# Altium PCB Board.PcbDoc (part 5 of 8) (continued)
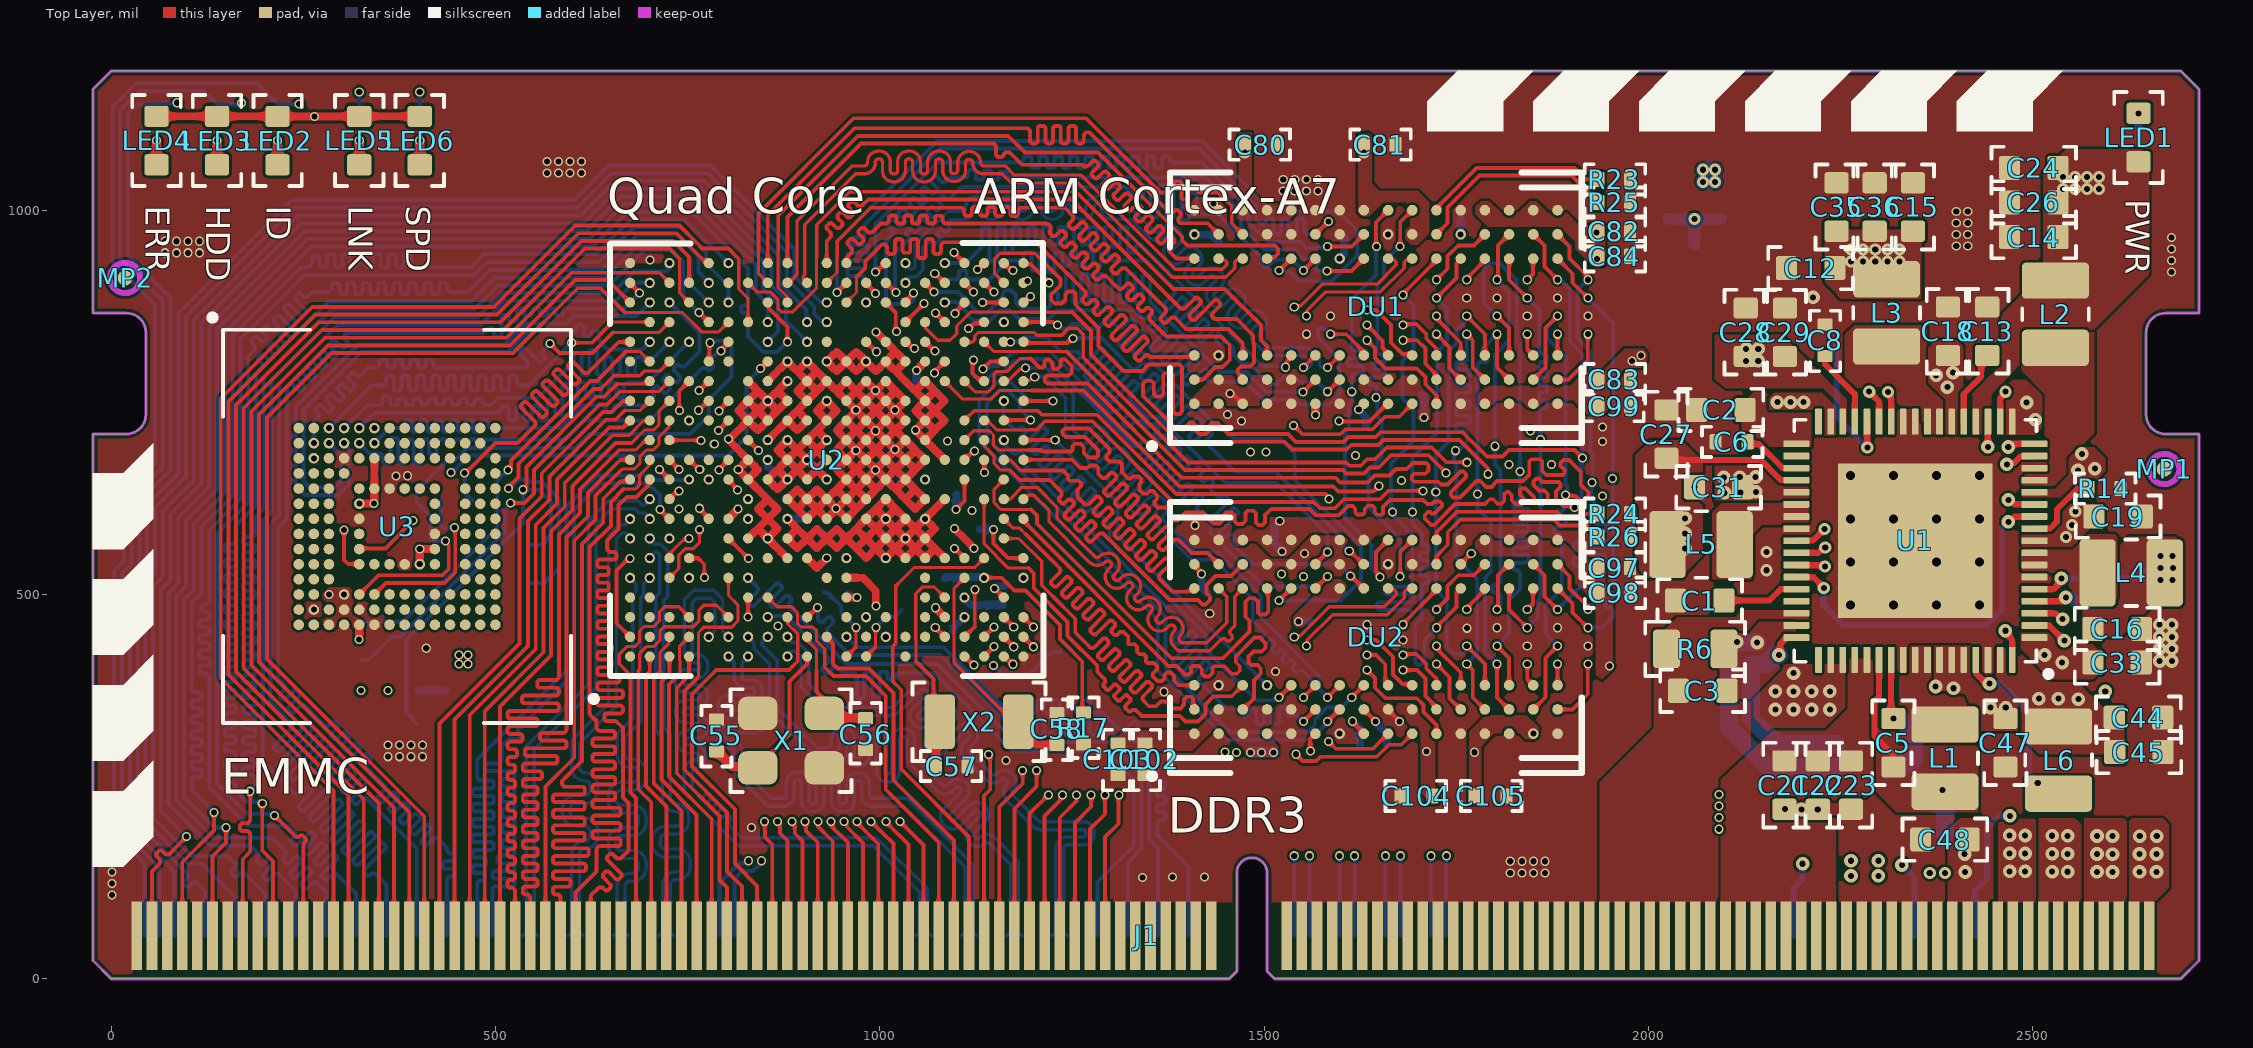
[diagram p0: Top Layer view]
## Nets (pads, with @x,y where several pads share a name; then routed paths per layer and width w, separated by ;. In a path a pad name is that pad's centre, name@x,y a point inside that pad or via, vN(x,y) a via of type N, cw(c..) or ccw(c..) an arc to the next point about the centre after c; other vN are vias at no path point) (continued)
SDC1_D0: J1.107 U2.H4 | length 576.9
  Top Layer w4: U2.H4@854.33,496.06 866.36,484.03 885.46,484.03 892.88,476.61 892.88,462.53 897.64,457.76 912.9,457.76 917.98,452.69 917.98,439.52 928.4,429.11
  Top Layer w5: 928.4,429.11 928.4,405.24 939.94,393.7 981.92,393.7 1007.87,367.75 1007.87,246.16 1076.77,177.26 J1.107@1076.77,55.98
SDC1_D1: J1.69 U2.F3 | length 538.8
  Top Layer w4: 685.91,400.26 687.39,401.74 687.39,422.9 688.59,424.11 688.59,424.34 695.74,431.48 695.97,431.48 696.57,432.09 706.09,432.09 714,440 714,452.73 719.25,457.98 757.19,457.98 765,465.79 765,480 771,486 787.62,486 U2.F3@803.15,470.47
  Top Layer w5: 685.91,400.26 685.91,246.6 702.76,229.75 J1.69@702.76,55.98
SDC1_D2: J1.73 U2.C2 | length 412.4
  Top Layer w4: 714.18,399.22 714.18,424.63 725.6,436.05 U2.C2@725.6,444.11
  Top Layer w5: 714.18,399.22 705.91,390.94 705.91,254.88 742.13,218.66 J1.73@742.13,55.98 ; U2.C2@725.6,444.11 U2.C2@726.38,444.88
SDC1_D3: J1.75 U2.C1 | length 386.7
  Top Layer w5: U2.C1@726.38,419.29 726.38,397.28 715.91,386.8 715.91,259.02 761.81,213.12 J1.75@761.81,55.98
SDQ0: DU1.F8 U2.N20 | length 1048.1
  Top Layer w5: U2.N20@982.28,905.51 982.28,904.72 994.58,892.43 v1(994.58,891.64) ; DU1.F8@1566.93,968.5 1567.05,968.51 1583.56,985.01 v1(1583.68,985.01)
  Bottom Layer w5: v1(994.58,891.64) 980.32,905.9 980.32,906.85 980.32,909.35 ccw(c975.32,909.35) 975.32,914.35 960.42,914.35 cw(c960.42,916.85) 957.92,916.85 957.92,921.85 cw(c960.42,921.85) 960.42,924.35 978.77,924.35 ccw(c978.77,926.85) 981.27,926.85 981.27,931.85 ccw(c978.77,931.85) 978.77,934.35 960.42,934.35 cw(c960.42,936.85) 957.92,936.85 957.92,941.85 cw(c960.42,941.85) 960.42,944.35 982.17,944.35 ccw(c982.17,946.85) 984.67,946.85 984.67,951.85 ccw(c982.17,951.85) 982.17,954.35 965.99,954.35 cw(c965.99,956.85) 963.49,956.85 963.49,961.85 cw(c965.99,961.85) 965.99,964.35 975.32,964.35 ccw(c975.32,969.35) 980.32,969.35 980.32,981.17 987.33,988.19 1079.14,1080 1415,1080 1490,1005 1490,987.43 1492.5,984.93 1494.09,983.34 ccw(c1497.6,986.9) 1502.5,985.92 cw(c1505,985.92) 1505,988.42 1510,988.42 cw(c1510,985.92) 1512.5,985.92 1512.5,971.32 ccw(c1515,971.32) 1515,968.82 1520,968.82 ccw(c1520,971.32) 1522.5,971.32 1522.5,985.92 cw(c1525,985.92) 1525,988.42 1530,988.42 cw(c1530,985.92) 1532.5,985.92 1532.5,971.32 ccw(c1535,971.32) 1535,968.82 1540,968.82 ccw(c1540,971.32) 1542.5,971.32 1542.5,985.92 cw(c1545,985.92) 1545,988.42 1550,988.42 cw(c1550,985.92) 1552.5,985.92 1552.5,973.82 ccw(c1557.5,973.82) 1557.5,968.82 1567.48,968.82 1568.92,970.26 v1(1583.68,985.01)
SDQ1: DU1.H8 U2.P21 | length 1055.5
  Top Layer w5: v1(994.67,919.64) 995.54,919.64 1007.01,931.1 U2.P21@1007.87,931.1 ; v1(1582.68,952.76) 1614.17,952.76 DU1.H8@1629.92,968.5
  Bottom Layer w5: v1(994.67,919.64) 994.67,981.39 1075.45,1062.16 1180,1062.16 1182.5,1062.16 ccw(c1182.5,1067.16) 1187.5,1067.16 1187.5,1067.5 cw(c1190,1067.5) 1190,1070 1195,1070 cw(c1195,1067.5) 1197.5,1067.5 1197.5,1057.4 ccw(c1200,1057.4) 1200,1054.9 1205,1054.9 ccw(c1205,1057.4) 1207.5,1057.4 1207.5,1067.5 cw(c1210,1067.5) 1210,1070 1215,1070 cw(c1215,1067.5) 1217.5,1067.5 1217.5,1057.4 ccw(c1220,1057.4) 1220,1054.9 1225,1054.9 ccw(c1225,1057.4) 1227.5,1057.4 1227.5,1067.5 cw(c1230,1067.5) 1230,1070 1235,1070 cw(c1235,1067.5) 1237.5,1067.5 1237.5,1057.4 ccw(c1240,1057.4) 1240,1054.9 1245,1054.9 ccw(c1245,1057.4) 1247.5,1057.4 1247.5,1067.5 cw(c1250,1067.5) 1250,1070 1255,1070 cw(c1255,1067.5) 1257.5,1067.5 1257.5,1057.4 ccw(c1260,1057.4) 1260,1054.9 1265,1054.9 ccw(c1265,1057.4) 1267.5,1057.4 1267.5,1067.5 cw(c1270,1067.5) 1270,1070 1275,1070 cw(c1275,1067.5) 1277.5,1067.5 1277.5,1057.4 ccw(c1280,1057.4) 1280,1054.9 1285,1054.9 ccw(c1285,1057.4) 1287.5,1057.4 1287.5,1067.5 cw(c1290,1067.5) 1290,1070 1295,1070 cw(c1295,1067.5) 1297.5,1067.5 1297.5,1057.4 ccw(c1300,1057.4) 1300,1054.9 1305,1054.9 ccw(c1305,1057.4) 1307.5,1057.4 1307.5,1067.5 cw(c1310,1067.5) 1310,1070 1315,1070 cw(c1315,1067.5) 1317.5,1067.5 1317.5,1057.4 ccw(c1320,1057.4) 1320,1054.9 1325,1054.9 ccw(c1325,1057.4) 1327.5,1057.4 1327.5,1067.5 cw(c1330,1067.5) 1330,1070 1335,1070 cw(c1335,1067.5) 1337.5,1067.5 1337.5,1057.4 ccw(c1340,1057.4) 1340,1054.9 1345,1054.9 ccw(c1345,1057.4) 1347.5,1057.4 1347.5,1067.5 cw(c1350,1067.5) 1350,1070 1355,1070 cw(c1355,1067.5) 1357.5,1067.5 1357.5,1057.4 ccw(c1360,1057.4) 1360,1054.9 1365,1054.9 ccw(c1365,1057.4) 1367.5,1057.4 1367.5,1067.5 cw(c1370,1067.5) 1370,1070 1375,1070 cw(c1375,1067.5) 1377.5,1067.5 1377.5,1067.16 ccw(c1382.5,1067.16) 1382.5,1062.16 1399.94,1062.16 1418.7,1062.16 1480,1000.86 1480,983.28 1482.5,980.78 1484.09,979.2 1490.51,972.77 1504.47,958.82 1547.45,958.82 1555.36,950.91 1582.68,950.91 v1(1582.68,952.76)
SDQ2: DU1.F7 U2.P20 | length 1052.9
  Top Layer w5: U2.P20@1007.87,905.51 1008.36,905.51 1020.91,892.96 v1(1021.39,892.96) ; v1(1551.18,921.26) DU1.F7@1566.93,937.01
  Bottom Layer w5: 1020.06,899.96 1020.06,943.7 1021.83,945.47 ccw(c1018.29,949) 1021.83,952.54 1020.43,953.93 cw(c1022.2,955.7) 1020.43,957.47 1023.97,961 cw(c1025.73,959.24) 1027.5,961 1030.67,957.84 ccw(c1032.43,959.61) 1034.2,957.84 1037.74,961.38 ccw(c1035.97,963.14) 1037.74,964.91 1034.57,968.08 cw(c1036.34,969.84) 1034.57,971.61 1038.11,975.15 cw(c1039.88,973.38) 1041.64,975.15 1044.81,971.98 ccw(c1046.58,973.75) 1048.34,971.98 1051.88,975.52 ccw(c1050.11,977.29) 1051.88,979.05 1048.72,982.22 cw(c1050.48,983.99) 1048.72,985.75 1052.25,989.29 cw(c1054.02,987.52) 1055.79,989.29 1058.95,986.13 ccw(c1060.72,987.89) 1062.49,986.13 1066.02,989.66 ccw(c1064.25,991.43) 1066.02,993.2 1062.86,996.36 cw(c1064.62,998.13) 1062.86,999.9 1066.39,1003.43 cw(c1068.16,1001.66) 1069.93,1003.43 1073.09,1000.27 ccw(c1074.86,1002.03) 1076.63,1000.27 1080.16,1003.8 ccw(c1078.4,1005.57) 1080.16,1007.34 1077,1010.5 cw(c1078.77,1012.27) 1077,1014.04 1080.53,1017.57 cw(c1082.3,1015.81) 1084.07,1017.57 1085.47,1016.18 ccw(c1089,1019.71) 1092.54,1016.18 1100.4,1024.04 1106.36,1030 1320,1030 1330,1020 1333.97,1016.03 ccw(c1337.5,1019.57) 1342.5,1019.57 1342.5,1029.85 cw(c1345,1029.85) 1345,1032.35 1350,1032.35 cw(c1350,1029.85) 1352.5,1029.85 1352.5,993.13 ccw(c1355,993.13) 1355,990.63 1360,990.63 ccw(c1360,993.13) 1362.5,993.13 1362.5,1029.85 cw(c1365,1029.85) 1365,1032.35 1370,1032.35 cw(c1370,1029.85) 1372.5,1029.85 1372.5,992.96 ccw(c1375,992.96) 1375,990.46 1380,990.46 ccw(c1380,992.96) 1382.5,992.96 1382.5,1029.85 cw(c1385,1029.85) 1385,1032.35 1390,1032.35 cw(c1390,1029.85) 1392.5,1029.85 1392.5,989.97 ccw(c1395,989.97) 1395,987.47 1400,987.47 ccw(c1400,989.97) 1402.5,989.97 1402.5,1020 cw(c1405,1020) 1405,1022.5 1410,1022.5 cw(c1410,1020) 1412.5,1020 1412.5,1000 ccw(c1417.5,1000) 1417.5,995 1429.88,995 1440,995 1496.18,938.82 1496.18,930.38 1500.22,926.34 1505.02,926.34 1514.54,935.86 1536.58,935.86 v1(1551.18,921.26) ; 1020.08,899.93 1020.08,894.26 v1(1021.39,892.96)
SDQ3: DU1.E3 U2.U21 | length 1048.3
  Top Layer w4.99: v1(1527.85,795.62) 1529.15,796.93 1529.15,802.36 1535.43,808.65 DU1.E3@1535.43,811.02
  Bottom Layer w4.99: v1(1084.65,931.1) 1085.36,931.1 1112.2,931.1 1131.35,950.25 ccw(c1127.82,953.77) 1132.81,953.77 1132.81,975.79 cw(c1135.31,975.79) 1135.31,978.28 1140.3,978.28 cw(c1140.3,975.79) 1142.8,975.79 1142.8,936.41 ccw(c1145.3,936.41) 1145.3,933.92 1150.29,933.92 ccw(c1150.29,936.41) 1152.79,936.41 1152.79,975.79 cw(c1155.29,975.79) 1155.29,978.28 1160.28,978.28 cw(c1160.28,975.79) 1162.78,975.79 1162.78,947.16 ccw(c1165.28,947.16) 1165.28,944.66 1170.27,944.66 ccw(c1170.27,947.16) 1172.77,947.16 1172.77,975.79 cw(c1175.27,975.79) 1175.27,978.28 1180.26,978.28 cw(c1180.26,975.79) 1182.76,975.79 1182.76,957.5 ccw(c1185.26,957.5) 1185.26,955 1190.25,955 ccw(c1190.25,957.5) 1192.75,957.5 1192.75,975.79 cw(c1195.25,975.79) 1195.25,978.28 1200.24,978.28 cw(c1200.24,975.79) 1202.74,975.79 1202.74,957.5 ccw(c1205.24,957.5) 1205.24,955 1210.23,955 ccw(c1210.23,957.5) 1212.73,957.5 1212.73,975.79 cw(c1215.23,975.79) 1215.23,978.28 1220.22,978.28 cw(c1220.22,975.79) 1222.72,975.79 1222.72,957.5 ccw(c1225.22,957.5) 1225.22,955 1230.21,955 ccw(c1230.21,957.5) 1232.71,957.5 1232.71,975.79 cw(c1235.21,975.79) 1235.21,978.28 1240.2,978.28 cw(c1240.2,975.79) 1242.7,975.79 1242.7,957.5 ccw(c1245.2,957.5) 1245.2,955 1250.19,955 ccw(c1250.19,957.5) 1252.69,957.5 1252.69,975.79 cw(c1255.19,975.79) 1255.19,978.28 1260.18,978.28 cw(c1260.18,975.79) 1262.68,975.79 1262.68,957.5 ccw(c1265.18,957.5) 1265.18,955 1270.17,955 ccw(c1270.17,957.5) 1272.67,957.5 1272.67,975.79 cw(c1275.17,975.79) 1275.17,978.28 1280.16,978.28 cw(c1280.16,975.79) 1282.66,975.79 1282.66,957.5 ccw(c1285.16,957.5) 1285.16,955 1290.15,955 ccw(c1290.15,957.5) 1292.65,957.5 1292.65,975.79 cw(c1295.15,975.79) 1295.15,978.28 1300.14,978.28 cw(c1300.14,975.79) 1302.64,975.79 1302.64,955 ccw(c1305.14,955) 1305.14,952.51 1310.13,952.51 ccw(c1310.13,955) 1312.63,955 1312.63,975.79 cw(c1315.13,975.79) 1315.13,978.28 1320.12,978.28 cw(c1320.12,975.79) 1322.62,975.79 1322.62,947.29 ccw(c1325.12,947.29) 1325.12,944.79 1330.11,944.79 ccw(c1330.11,947.29) 1332.61,947.29 1332.61,950.01 cw(c1337.6,950.01) 1337.6,955 1340.28,955 1349.95,945.33 1498.35,796.93 1526.54,796.93 v1(1527.85,795.62)
SDQ4: DU1.H7 U2.R19 | length 1055.8
  Top Layer w5: U2.R19@1033.46,879.92 1033.46,880.71 1044.06,891.3 v1(1044.06,892.09) ; v1(1582.16,920.81) 1613.72,920.81 DU1.H7@1629.92,937.01
  Bottom Layer w5: v1(1044.06,892.09) 1044.06,883.12 1038.89,877.95 1015,877.95 1007.98,884.97 1007.98,897.19 1007.98,913.99 1008.08,914.08 1008.08,959.26 1014.41,965.59 1016.18,967.36 ccw(c1012.64,970.89) 1016.18,974.43 1010.78,979.82 cw(c1012.55,981.59) 1010.78,983.36 1014.32,986.89 cw(c1016.09,985.13) 1017.86,986.89 1025.02,979.73 ccw(c1026.78,981.5) 1028.55,979.73 1032.09,983.27 ccw(c1030.32,985.04) 1032.09,986.8 1024.93,993.96 cw(c1026.69,995.73) 1024.93,997.5 1028.46,1001.04 cw(c1030.23,999.27) 1032,1001.04 1039.16,993.87 ccw(c1040.93,995.64) 1042.69,993.87 1046.23,997.41 ccw(c1044.46,999.18) 1046.23,1000.95 1039.07,1008.11 cw(c1040.84,1009.87) 1039.07,1011.64 1042.6,1015.18 cw(c1044.37,1013.41) 1046.14,1015.18 1053.3,1008.02 ccw(c1055.07,1009.78) 1056.84,1008.02 1060.37,1011.55 ccw(c1058.6,1013.32) 1060.37,1015.09 1053.21,1022.25 cw(c1054.98,1024.02) 1053.21,1025.78 1056.75,1029.32 cw(c1058.51,1027.55) 1060.28,1029.32 1067.44,1022.16 ccw(c1069.21,1023.93) 1070.98,1022.16 1074.51,1025.69 ccw(c1072.75,1027.46) 1074.51,1029.23 1067.35,1036.39 cw(c1069.12,1038.16) 1067.35,1039.93 1070.89,1043.46 cw(c1072.66,1041.69) 1074.42,1043.46 1079.82,1038.07 ccw(c1083.35,1041.6) 1086.89,1038.07 1091.17,1042.35 1107.65,1042.35 1110.15,1042.35 ccw(c1110.15,1047.35) 1115.15,1047.35 1115.15,1049.66 cw(c1117.65,1049.66) 1117.65,1052.16 1122.65,1052.16 cw(c1122.65,1049.66) 1125.15,1049.66 1125.15,1042.5 ccw(c1127.65,1042.5) 1127.65,1040 1132.65,1040 ccw(c1132.65,1042.5) 1135.15,1042.5 1135.15,1048.97 cw(c1137.65,1048.97) 1137.65,1051.47 1142.65,1051.47 cw(c1142.65,1048.97) 1145.15,1048.97 1145.15,1042.5 ccw(c1147.65,1042.5) 1147.65,1040 1152.65,1040 ccw(c1152.65,1042.5) 1155.15,1042.5 1155.15,1047.35 cw(c1157.65,1047.35) 1157.65,1049.85 1162.65,1049.85 cw(c1162.65,1047.35) 1165.15,1047.35 ccw(c1170.15,1047.35) 1170.15,1042.35 1180.07,1042.35 1424.36,1042.35 1470,996.72 1470,979.14 1500.32,948.82 1540.24,948.82 1551.79,937.27 1559.32,937.27 1562.34,940.29 1569.01,940.29 1572.21,937.08 1572.21,932.2 1568.32,928.3 1568.32,923.01 1570.52,920.81 v1(1582.16,920.81)
SDQ5: DU1.F2 U2.T20 | length 1055.2
  Top Layer w4.99: U2.T20@1059.06,905.51 v1(1070.87,893.7) ; v1(1550.87,763.46) DU1.F2@1566.93,779.53
  Bottom Layer w4.99: v1(1070.87,893.7) 1071.24,893.32 1102.45,893.32 1116.78,879 1116.78,877.89 1128.31,866.36 1139.41,866.36 1160.62,887.57 1160.62,892.36 1163.85,895.59 1171.59,895.59 1177.44,889.74 1177.44,879.66 1185.29,871.81 1214.6,871.81 1217.8,871.81 1220.62,874.64 ccw(c1217.1,878.17) 1222.09,878.17 1222.09,889.61 cw(c1224.58,889.61) 1224.58,892.11 1229.58,892.11 cw(c1229.58,889.61) 1232.08,889.61 1232.08,882.2 ccw(c1234.57,882.2) 1234.57,879.7 1239.57,879.7 ccw(c1239.57,882.2) 1242.07,882.2 1242.07,914.48 cw(c1244.56,914.48) 1244.56,916.98 1249.56,916.98 cw(c1249.56,914.48) 1252.06,914.48 1252.06,882.2 ccw(c1254.55,882.2) 1254.55,879.7 1259.55,879.7 ccw(c1259.55,882.2) 1262.05,882.2 1262.05,914.48 cw(c1264.54,914.48) 1264.54,916.98 1269.54,916.98 cw(c1269.54,914.48) 1272.04,914.48 1272.04,882.2 ccw(c1274.53,882.2) 1274.53,879.7 1279.53,879.7 ccw(c1279.53,882.2) 1282.03,882.2 1282.03,914.48 cw(c1284.52,914.48) 1284.52,916.98 1289.52,916.98 cw(c1289.52,914.48) 1292.02,914.48 1292.02,882.2 ccw(c1294.51,882.2) 1294.51,879.7 1299.51,879.7 ccw(c1299.51,882.2) 1302.01,882.2 1302.01,914.48 cw(c1304.5,914.48) 1304.5,916.98 1309.5,916.98 cw(c1309.5,914.48) 1312,914.48 1312,882.2 ccw(c1314.49,882.2) 1314.49,879.7 1319.49,879.7 ccw(c1319.49,882.2) 1321.99,882.2 1321.99,914.48 cw(c1324.48,914.48) 1324.48,916.98 1329.48,916.98 cw(c1329.48,914.48) 1331.98,914.48 1331.98,882.16 ccw(c1334.47,882.16) 1334.47,879.66 1339.47,879.66 ccw(c1339.47,882.16) 1341.97,882.16 1341.97,912.55 cw(c1344.46,912.55) 1344.46,915.05 1349.46,915.05 cw(c1349.46,912.55) 1351.96,912.55 1351.96,882.39 ccw(c1356.95,882.39) 1353.42,878.87 1364.64,867.64 1442.69,789.59 1477.41,789.59 1503.23,763.78 1550.55,763.78 v1(1550.87,763.46)
SDQ6: DU1.H3 U2.U19 | length 1059
  Top Layer w5: v1(1586.61,838.58) 1607.03,838.58 1629.92,815.69 DU1.H3@1629.92,811.02
  Bottom Layer w5: v1(1084.65,879.92) 1084.65,883.33 1086.06,883.33 1088.85,880.53 1100,880.53 1114.17,866.36 1114.17,863.82 1121.62,856.37 1143.55,856.37 1156.89,869.71 1169.66,869.71 1181.1,858.27 1219.91,858.27 1231.35,869.71 1323.14,869.71 1331.08,869.71 1340.37,860.42 ccw(c1343.9,863.95) 1347.44,860.42 1350.82,863.8 cw(c1352.58,862.03) 1354.35,863.8 1357.89,860.26 cw(c1356.12,858.49) 1357.89,856.73 1351.22,850.05 ccw(c1352.98,848.29) 1351.22,846.52 1354.75,842.98 ccw(c1356.52,844.75) 1358.29,842.98 1364.96,849.65 cw(c1366.73,847.89) 1368.49,849.65 1372.03,846.12 cw(c1370.26,844.35) 1372.03,842.58 1352.3,822.86 ccw(c1354.07,821.09) 1352.3,819.32 1355.84,815.78 ccw(c1357.61,817.55) 1359.37,815.78 1379.1,835.51 cw(c1380.87,833.74) 1382.64,835.51 1386.17,831.98 cw(c1384.4,830.21) 1386.17,828.44 1366.44,808.71 ccw(c1368.21,806.95) 1366.44,805.18 1369.98,801.64 ccw(c1371.75,803.41) 1373.52,801.64 1393.24,821.37 cw(c1395.01,819.6) 1396.78,821.37 1400.31,817.83 cw(c1398.55,816.07) 1400.31,814.3 1380.59,794.57 ccw(c1382.35,792.8) 1380.59,791.04 1384.12,787.5 ccw(c1385.89,789.27) 1387.66,787.5 1407.39,807.23 cw(c1409.15,805.46) 1410.92,807.23 1414.46,803.69 cw(c1412.69,801.92) 1414.46,800.16 1394.73,780.43 ccw(c1396.5,778.66) 1394.73,776.89 1398.26,773.36 ccw(c1400.03,775.13) 1401.8,773.36 1421.53,793.09 cw(c1423.3,791.32) 1425.06,793.09 1428.6,789.55 cw(c1426.83,787.78) 1428.6,786.01 1427.53,784.94 ccw(c1431.06,781.41) 1431.06,776.41 1440.82,776.41 1476.46,776.41 1496.16,756.71 1499.09,753.78 1541.22,753.78 1547.95,747.05 1584.9,747.05 1598.43,760.57 1598.43,806.57 1570,835 1570,844.06 1572.74,846.8 1578.39,846.8 v1(1586.61,838.58)
SDQ7: DU1.G2 U2.U20 | length 1058.3
  Top Layer w5: v1@1072.42,917.74 U2.U20@1084.65,905.51 U2.U20@1085.46,905.51 ; v1(1582.68,763.78) DU1.G2@1598.43,779.53
  Bottom Layer w5: v1(1071.61,917.74) 1079.69,909.66 1095.77,909.66 1098.27,909.66 ccw(c1098.27,914.66) 1103.27,914.66 1103.27,918.61 cw(c1105.77,918.61) 1105.77,921.11 1110.77,921.11 cw(c1110.77,918.61) 1113.27,918.61 1113.27,914.66 ccw(c1118.27,914.66) 1118.27,909.66 1130.06,909.66 1142.67,909.66 1167.67,934.66 1180,934.66 1182.5,934.66 ccw(c1182.5,939.66) 1187.5,939.66 1187.5,942.5 cw(c1190,942.5) 1190,945 1195,945 cw(c1195,942.5) 1197.5,942.5 1197.5,923.63 ccw(c1200,923.63) 1200,921.13 1205,921.13 ccw(c1205,923.63) 1207.5,923.63 1207.5,942.5 cw(c1210,942.5) 1210,945 1215,945 cw(c1215,942.5) 1217.5,942.5 1217.5,921.42 ccw(c1220,921.42) 1220,918.92 1225,918.92 ccw(c1225,921.42) 1227.5,921.42 1227.5,942.5 cw(c1230,942.5) 1230,945 1235,945 cw(c1235,942.5) 1237.5,942.5 1237.5,929.47 ccw(c1240,929.47) 1240,926.97 1245,926.97 ccw(c1245,929.47) 1247.5,929.47 1247.5,942.5 cw(c1250,942.5) 1250,945 1255,945 cw(c1255,942.5) 1257.5,942.5 1257.5,929.47 ccw(c1260,929.47) 1260,926.97 1265,926.97 ccw(c1265,929.47) 1267.5,929.47 1267.5,942.5 cw(c1270,942.5) 1270,945 1275,945 cw(c1275,942.5) 1277.5,942.5 1277.5,929.47 ccw(c1280,929.47) 1280,926.97 1285,926.97 ccw(c1285,929.47) 1287.5,929.47 1287.5,942.5 cw(c1290,942.5) 1290,945 1295,945 cw(c1295,942.5) 1297.5,942.5 1297.5,939.66 ccw(c1302.5,939.66) 1302.5,934.66 1319.61,934.66 1346.48,934.66 1360.01,921.13 1361.78,919.36 1382.99,898.15 cw(c1379.45,894.61) 1382.99,891.08 1370.93,879.02 ccw(c1372.7,877.25) 1370.93,875.49 1374.47,871.95 ccw(c1376.24,873.72) 1378,871.95 1391.83,885.78 cw(c1393.6,884.01) 1395.36,885.78 1398.9,882.24 cw(c1397.13,880.47) 1398.9,878.7 1385.07,864.88 ccw(c1386.84,863.11) 1385.07,861.34 1388.61,857.81 ccw(c1390.38,859.58) 1392.15,857.81 1405.97,871.63 cw(c1407.74,869.87) 1409.51,871.63 1413.04,868.1 cw(c1411.27,866.33) 1413.04,864.56 1399.22,850.74 ccw(c1400.98,848.97) 1399.22,847.2 1402.75,843.67 ccw(c1404.52,845.43) 1406.29,843.67 1420.11,857.49 cw(c1421.88,855.72) 1423.65,857.49 1427.18,853.96 cw(c1425.42,852.19) 1427.18,850.42 1413.36,836.6 ccw(c1415.13,834.83) 1413.36,833.06 1416.89,829.52 ccw(c1418.66,831.29) 1420.43,829.52 1434.26,843.35 cw(c1436.02,841.58) 1437.79,843.35 1441.33,839.81 cw(c1439.56,838.05) 1441.33,836.28 1438.32,833.27 ccw(c1440.08,831.5) 1438.32,829.73 1441.85,826.2 ccw(c1443.62,827.96) 1445.39,826.2 1446.63,827.44 cw(c1450.17,823.9) 1453.7,827.44 1460.57,820.57 1460.57,811.24 1471.76,800.05 1481.09,800.05 1507.39,773.75 1516.96,773.75 1526.93,783.71 1539.23,783.71 1546.83,776.11 1570.35,776.11 v1(1582.68,763.78)
SDQ8: DU1.D7 U2.J19 | length 898.7
  Top Layer w4: 867.89,945.55 867.73,945.38 867.73,899.47 879.92,887.28 U2.J19@879.92,879.92
  Top Layer w4.99: 867.89,945.55 867.89,993.15
  Top Layer w5: 867.89,993.15 971.36,1096.61 1167.17,1096.61 1188.98,1074.8 1284.21,1074.8 1393.62,965.39 1393.62,960.63 1400.38,953.87 1514.27,953.87 1518.3,949.83 1518.3,943.3 1513.69,938.69 1505.62,938.69 DU1.D7@1503.94,937.01
SDQ9: DU1.C8 U2.H20 | length 902.5
  Top Layer w4: 842.3,945 842.3,936.32 842.14,936.15 842.14,917.7 U2.H20@854.33,905.51
  Top Layer w5: 842.3,945 842.3,995.85 966.01,1119.55 1268.61,1119.55 1365.17,1022.98 1375,1022.98 1377.5,1022.98 ccw(c1377.5,1027.98) 1382.5,1027.98 1382.5,1035.07 cw(c1385,1035.07) 1385,1037.57 1390,1037.57 cw(c1390,1035.07) 1392.5,1035.07 1392.5,1017.18 ccw(c1395,1017.18) 1395,1014.68 1400,1014.68 ccw(c1400,1017.18) 1402.5,1017.18 1402.5,1027.99 cw(c1405,1027.99) 1405,1030.49 1410,1030.49 cw(c1410,1027.99) 1412.5,1027.99 ccw(c1417.5,1027.98) 1417.5,1022.98 1437.1,1022.98 1440.24,1022.98 1458.05,1005.17 1458.05,982.9 DU1.C8@1472.44,968.5
SDQ10: DU1.B8 U2.H21 | length 907.4
  Top Layer w5: U2.H21@854.33,931.1 854.33,993.73 967.21,1106.61 1178.05,1106.61 1190.55,1106.61 cw(c1190.55,1101.61) 1195.55,1101.61 1195.55,1090.45 ccw(c1199.05,1090.45) 1199.05,1086.95 1202.05,1086.95 ccw(c1202.05,1090.45) 1205.55,1090.45 1205.55,1106.05 cw(c1209.05,1106.05) 1209.05,1109.55 1212.05,1109.55 cw(c1212.05,1106.05) 1215.55,1106.05 1215.55,1090.45 ccw(c1219.05,1090.45) 1219.05,1086.95 1222.05,1086.95 ccw(c1222.05,1090.45) 1225.55,1090.45 1225.55,1106.05 cw(c1229.05,1106.05) 1229.05,1109.55 1232.05,1109.55 cw(c1232.05,1106.05) 1235.55,1106.05 1235.55,1090.45 ccw(c1239.05,1090.45) 1239.05,1086.95 1242.05,1086.95 ccw(c1242.05,1090.45) 1245.55,1090.45 1245.55,1106.05 cw(c1249.05,1106.05) 1249.05,1109.55 1252.05,1109.55 cw(c1252.05,1106.05) 1255.55,1106.05 1255.55,1090.45 ccw(c1259.05,1090.45) 1259.05,1086.95 1262.05,1086.95 ccw(c1262.05,1090.45) 1265.55,1090.45 1265.55,1096.4 cw(c1270.55,1096.4) 1274.08,1099.93 1287.4,1086.61 1374,1000.02 1375.77,998.25 ccw(c1379.3,1001.78) 1382.84,998.25 1383.71,999.12 cw(c1386.19,996.65) 1388.66,999.12 1390.78,997 cw(c1388.31,994.52) 1390.78,992.05 1389.91,991.18 ccw(c1393.45,987.64) 1389.91,984.11 1391.12,982.9 1399.61,982.9 1426.56,982.9 DU1.B8@1440.95,968.5
SDQ11: DU1.A7 U2.J21 | length 917.5
  Top Layer w5: U2.J21@879.92,931.1 879.92,991.04 975.5,1086.61 1133.86,1086.61 1146.36,1086.61 cw(c1146.36,1081.61) 1151.36,1081.61 1151.36,1072.78 ccw(c1154.86,1072.78) 1154.86,1069.28 1157.86,1069.28 ccw(c1157.86,1072.78) 1161.36,1072.78 cw(c1166.27,1069.38) 1170.51,1073.58 1171.95,1072.15 1174.45,1069.65 1185.04,1059.06 1261.58,1059.06 1263.68,1059.06 1264.4,1058.34 ccw(c1267.94,1061.87) 1271.47,1058.34 1276.53,1063.39 cw(c1279,1060.92) 1281.48,1063.39 1283.6,1061.27 cw(c1281.12,1058.8) 1283.6,1056.32 1276.78,1049.51 ccw(c1279.26,1047.03) 1276.78,1044.56 1278.91,1042.44 ccw(c1281.38,1044.91) 1283.85,1042.44 1290.67,1049.25 cw(c1293.14,1046.78) 1295.62,1049.25 1297.74,1047.13 cw(c1295.27,1044.66) 1297.74,1042.18 1290.93,1035.37 ccw(c1293.4,1032.89) 1290.93,1030.42 1293.05,1028.29 ccw(c1295.52,1030.77) 1298,1028.29 1304.81,1035.11 cw(c1307.29,1032.63) 1309.76,1035.11 1311.88,1032.99 cw(c1309.41,1030.51) 1311.88,1028.04 1305.07,1021.22 ccw(c1307.54,1018.75) 1305.07,1016.27 1307.19,1014.15 ccw(c1309.66,1016.63) 1312.14,1014.15 1318.95,1020.97 cw(c1321.43,1018.49) 1323.9,1020.97 1326.03,1018.85 cw(c1323.55,1016.37) 1326.03,1013.9 1319.21,1007.08 ccw(c1321.68,1004.61) 1319.21,1002.13 1321.33,1000.01 ccw(c1323.81,1002.48) 1326.28,1000.01 1333.1,1006.83 cw(c1335.57,1004.35) 1338.05,1006.83 1340.17,1004.7 cw(c1337.69,1002.23) 1340.17,999.75 1333.35,992.94 ccw(c1335.83,990.46) 1333.35,987.99 1335.47,985.87 ccw(c1337.95,988.34) 1340.42,985.87 1347.24,992.68 cw(c1349.71,990.21) 1352.19,992.68 1354.31,990.56 cw(c1351.83,988.09) 1354.31,985.61 1347.49,978.8 ccw(c1349.97,976.32) 1347.49,973.85 1349.62,971.73 ccw(c1352.09,974.2) 1354.57,971.73 1361.38,978.54 cw(c1363.86,976.07) 1366.33,978.54 1368.45,976.42 cw(c1365.98,973.94) 1368.45,971.47 1361.64,964.65 ccw(c1364.11,962.18) 1361.64,959.7 1363.76,957.58 ccw(c1366.23,960.06) 1368.71,957.58 1375.52,964.4 cw(c1378,961.92) 1380.47,964.4 1382.59,962.28 cw(c1380.12,959.8) 1382.59,957.33 1377.54,952.27 ccw(c1381.07,948.74) 1377.54,945.2 1385.73,937.01 1401.01,937.01 DU1.A7@1409.45,937.01
SDQ12: DU1.C3 U2.L20 | length 920
  Top Layer w4: U2.L20@931.1,905.51 944.5,918.91 944.5,939.29
  Top Layer w4.99: 944.67,939.29 944.67,959.5 988.35,1003.19 1092.61,1003.19 1105.1,1003.19 cw(c1105.1,998.2) 1110.09,998.2 1110.09,996.06 ccw(c1113.58,996.06) 1113.58,992.57 1116.58,992.57 ccw(c1116.58,996.06) 1120.08,996.06 1120.08,1000.55 cw(c1123.57,1000.55) 1123.57,1004.05 1126.57,1004.05 cw(c1126.57,1000.55) 1130.07,1000.55 1130.07,996.06 ccw(c1133.56,996.06) 1133.56,992.57 1136.56,992.57 ccw(c1136.56,996.06) 1140.06,996.06 1140.06,1000.55 cw(c1143.55,1000.55) 1143.55,1004.05 1146.55,1004.05 cw(c1146.55,1000.55) 1150.05,1000.55 1150.05,996.06 ccw(c1153.54,996.06) 1153.54,992.57 1156.54,992.57 ccw(c1156.54,996.06) 1160.04,996.06 1160.04,1000.55 cw(c1163.53,1000.55) 1163.53,1004.05 1166.53,1004.05 cw(c1166.53,1000.55) 1170.03,1000.55 1170.03,996.06 ccw(c1173.52,996.06) 1173.52,992.57 1176.52,992.57 ccw(c1176.52,996.06) 1180.02,996.06 1180.02,998.2 cw(c1185.01,998.2) 1185.01,1003.19 1194.35,1003.19 1240.91,1003.19 1241.53,1002.57 1250.36,993.74 cw(c1246.83,990.21) 1250.36,986.68 1247.06,983.38 ccw(c1249.53,980.91) 1247.06,978.44 1249.18,976.32 ccw(c1251.65,978.79) 1254.12,976.32 1261.25,983.45 cw(c1263.73,980.98) 1266.2,983.45 1268.32,981.33 cw(c1265.85,978.86) 1268.32,976.39 1259.98,968.04 ccw(c1262.45,965.57) 1259.98,963.1 1262.09,960.98 ccw(c1264.57,963.45) 1267.04,960.98 1275.38,969.32 cw(c1277.86,966.85) 1280.33,969.32 1282.45,967.2 cw(c1279.97,964.73) 1282.45,962.26 1275.46,955.27 ccw(c1277.93,952.8) 1275.46,950.33 1277.58,948.21 ccw(c1280.05,950.68) 1282.53,948.21 1289.51,955.2 cw(c1291.98,952.72) 1294.46,955.2 1296.57,953.08 cw(c1294.1,950.6) 1296.57,948.13 1289.59,941.15 ccw(c1292.06,938.67) 1289.59,936.2 1291.71,934.08 ccw(c1294.18,936.55) 1296.65,934.08 1303.64,941.07 cw(c1306.11,938.6) 1308.58,941.07 1310.7,938.95 cw(c1308.23,936.48) 1310.7,934 1302.22,925.52 ccw(c1304.69,923.05) 1302.22,920.57 1304.34,918.45 ccw(c1306.81,920.93) 1309.28,918.45 1313.93,923.11 cw(c1317.46,919.58) 1320.99,923.11 1333.84,910.26 1362.2,881.89 1371.03,873.06 cw(c1367.5,869.53) 1371.03,866 1366.38,861.35 ccw(c1368.85,858.88) 1366.38,856.41 1368.5,854.29 ccw(c1370.97,856.76) 1373.45,854.29 1378.1,858.94 cw(c1381.63,855.41) 1385.15,858.94 1398.7,845.4 1453.81,845.4 1472.44,826.77 DU1.C3@1472.44,811.02
SDQ13: DU1.C2 U2.L21 | length 909.3
  Top Layer w4.99: U2.L21@931.1,931.1 931.1,960.06 933.61,962.57 935.38,964.34 ccw(c931.85,967.86) 935.38,971.39 931.67,975.1 cw(c934.14,977.57) 931.67,980.05 933.79,982.17 cw(c936.26,979.69) 938.73,982.17 943.5,977.4 ccw(c945.97,979.87) 948.44,977.4 950.56,979.52 ccw(c948.09,981.99) 950.56,984.47 945.8,989.23 cw(c948.27,991.7) 945.8,994.17 947.91,996.29 cw(c950.39,993.82) 952.86,996.29 957.62,991.53 ccw(c960.1,994) 962.57,991.53 964.69,993.65 ccw(c962.22,996.12) 964.69,998.59 959.92,1003.36 cw(c962.4,1005.83) 959.92,1008.3 962.04,1010.42 cw(c964.52,1007.95) 966.99,1010.42 970.7,1006.71 ccw(c974.22,1010.24) 977.75,1006.71 985.08,1014.04 1249.74,1014.04 1388.95,874.83 1390.71,873.07 ccw(c1394.24,876.59) 1397.77,873.07 1409.87,885.17 cw(c1412.35,882.7) 1414.82,885.17 1416.94,883.05 cw(c1414.47,880.58) 1416.94,878.11 1403.76,864.92 ccw(c1406.23,862.45) 1403.76,859.98 1405.88,857.86 ccw(c1408.35,860.33) 1410.82,857.86 1435.04,882.08 cw(c1437.51,879.6) 1439.98,882.08 1442.1,879.96 cw(c1439.63,877.48) 1442.1,875.01 1433.87,866.79 ccw(c1437.4,863.26) 1437.4,858.27 1464.57,858.27 1486.07,836.77 1486.07,826.57 1486.83,825.81 1486.83,801.45 1482.01,796.64 1469.87,796.64 1465.86,792.63 1465.86,788.49 1472.44,781.91 DU1.C2@1472.44,779.53